# Altium PCB BW1097.PcbDoc (part 1 of 7) (continued)
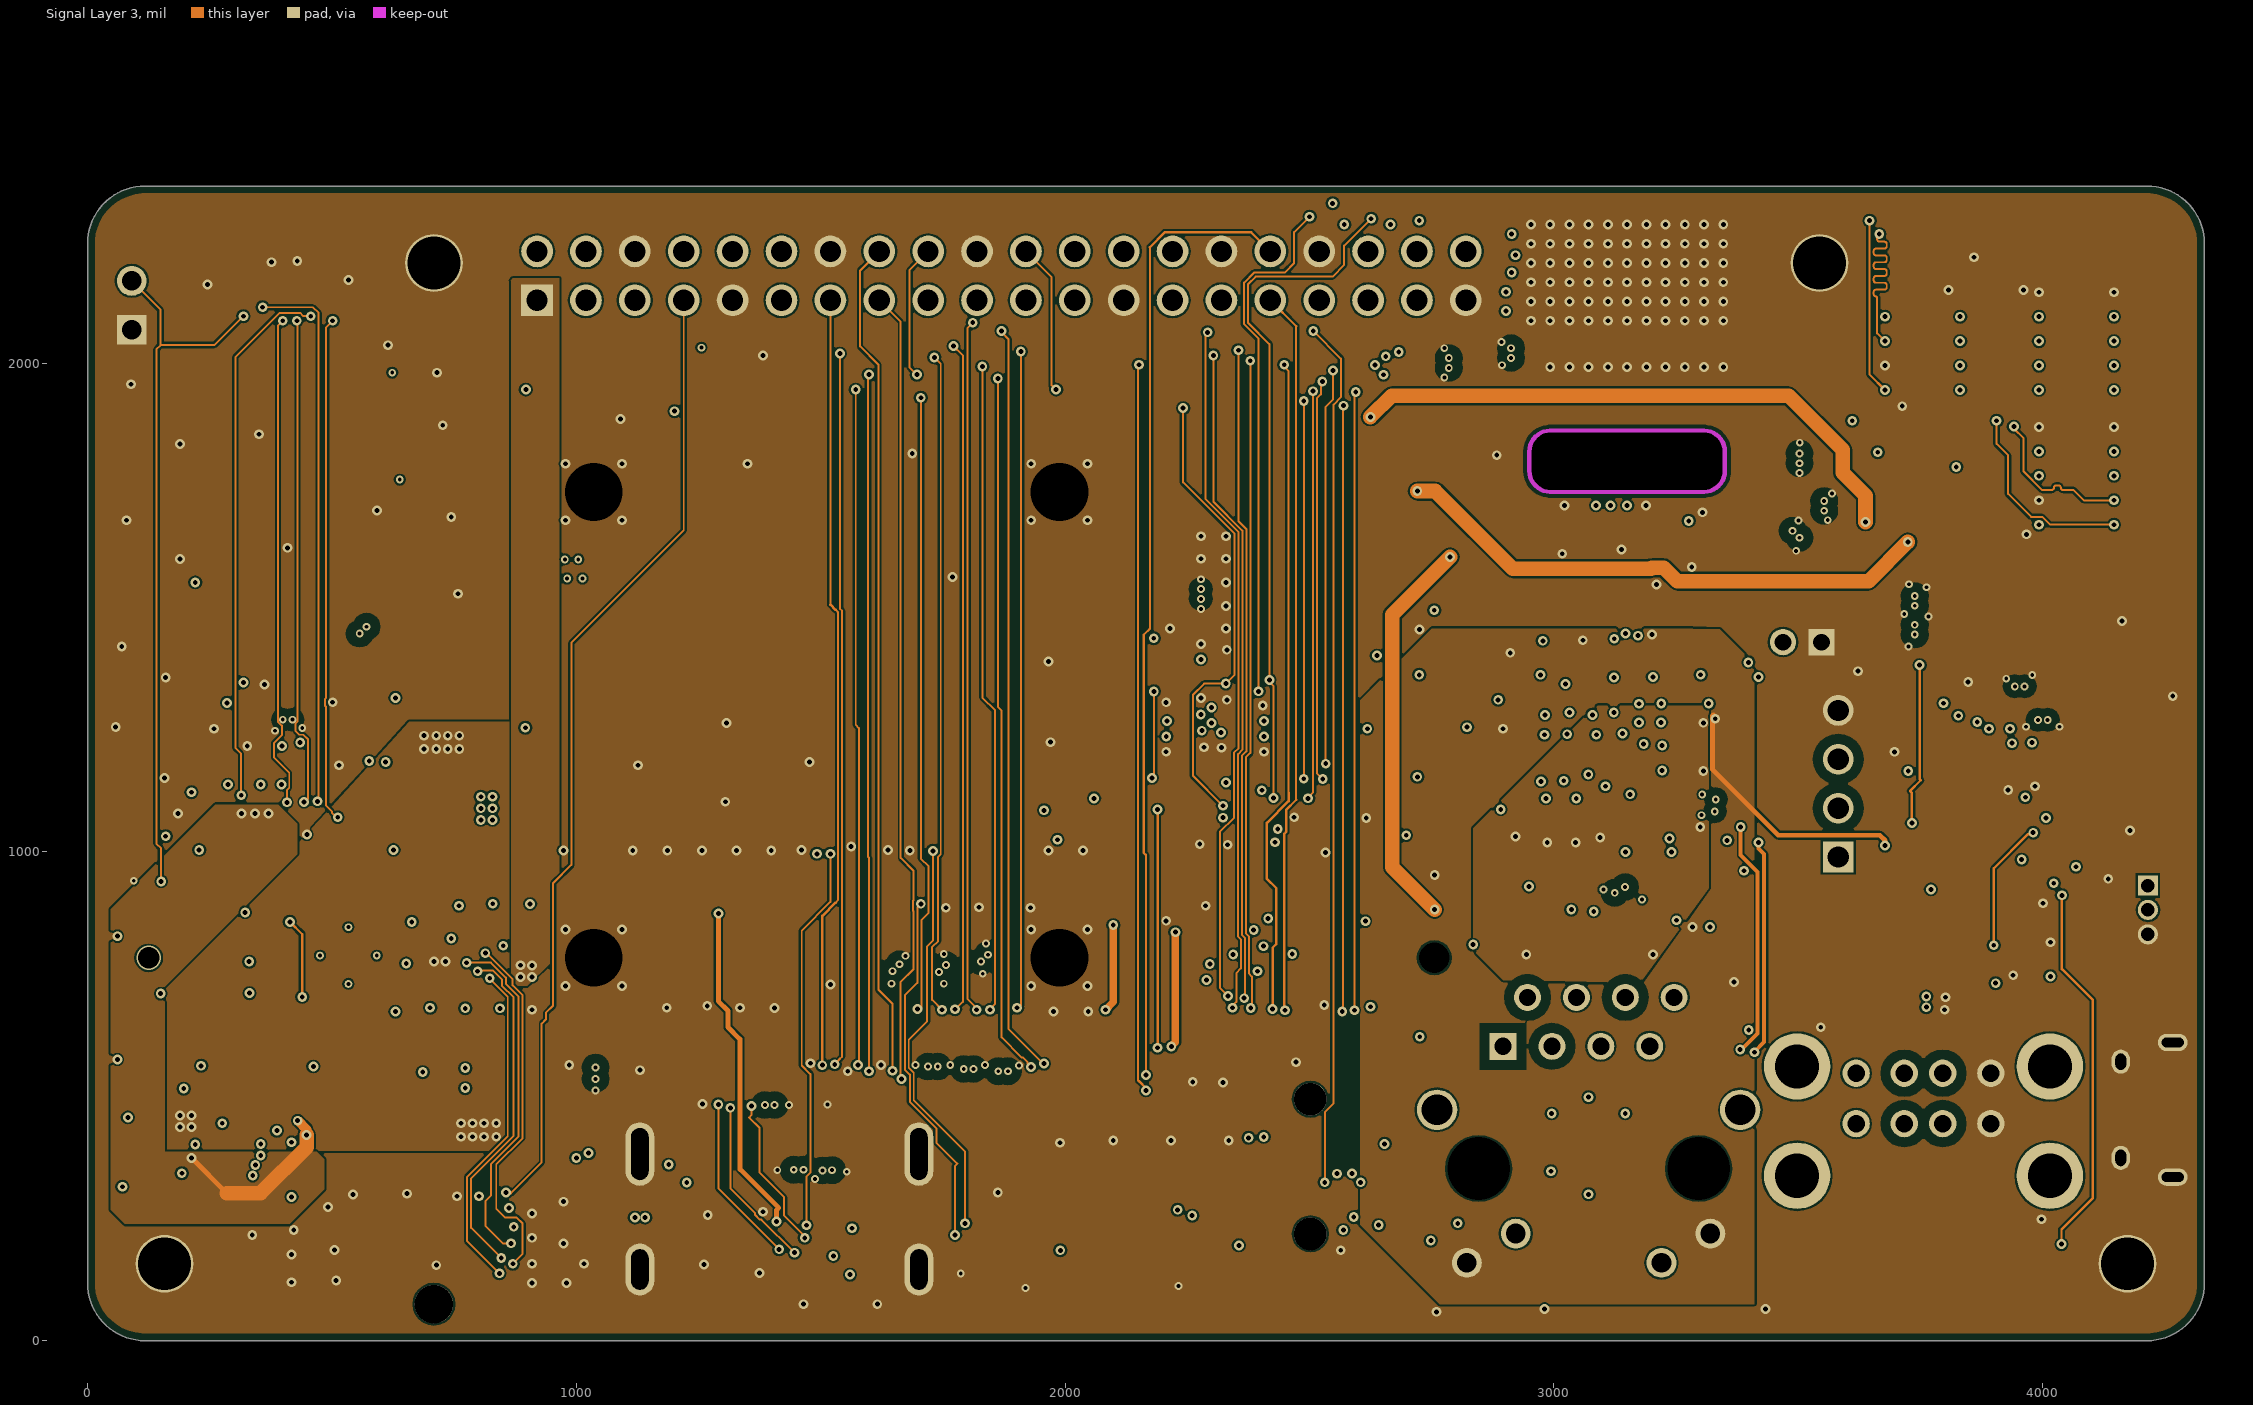
[diagram p4: Signal Layer 3]
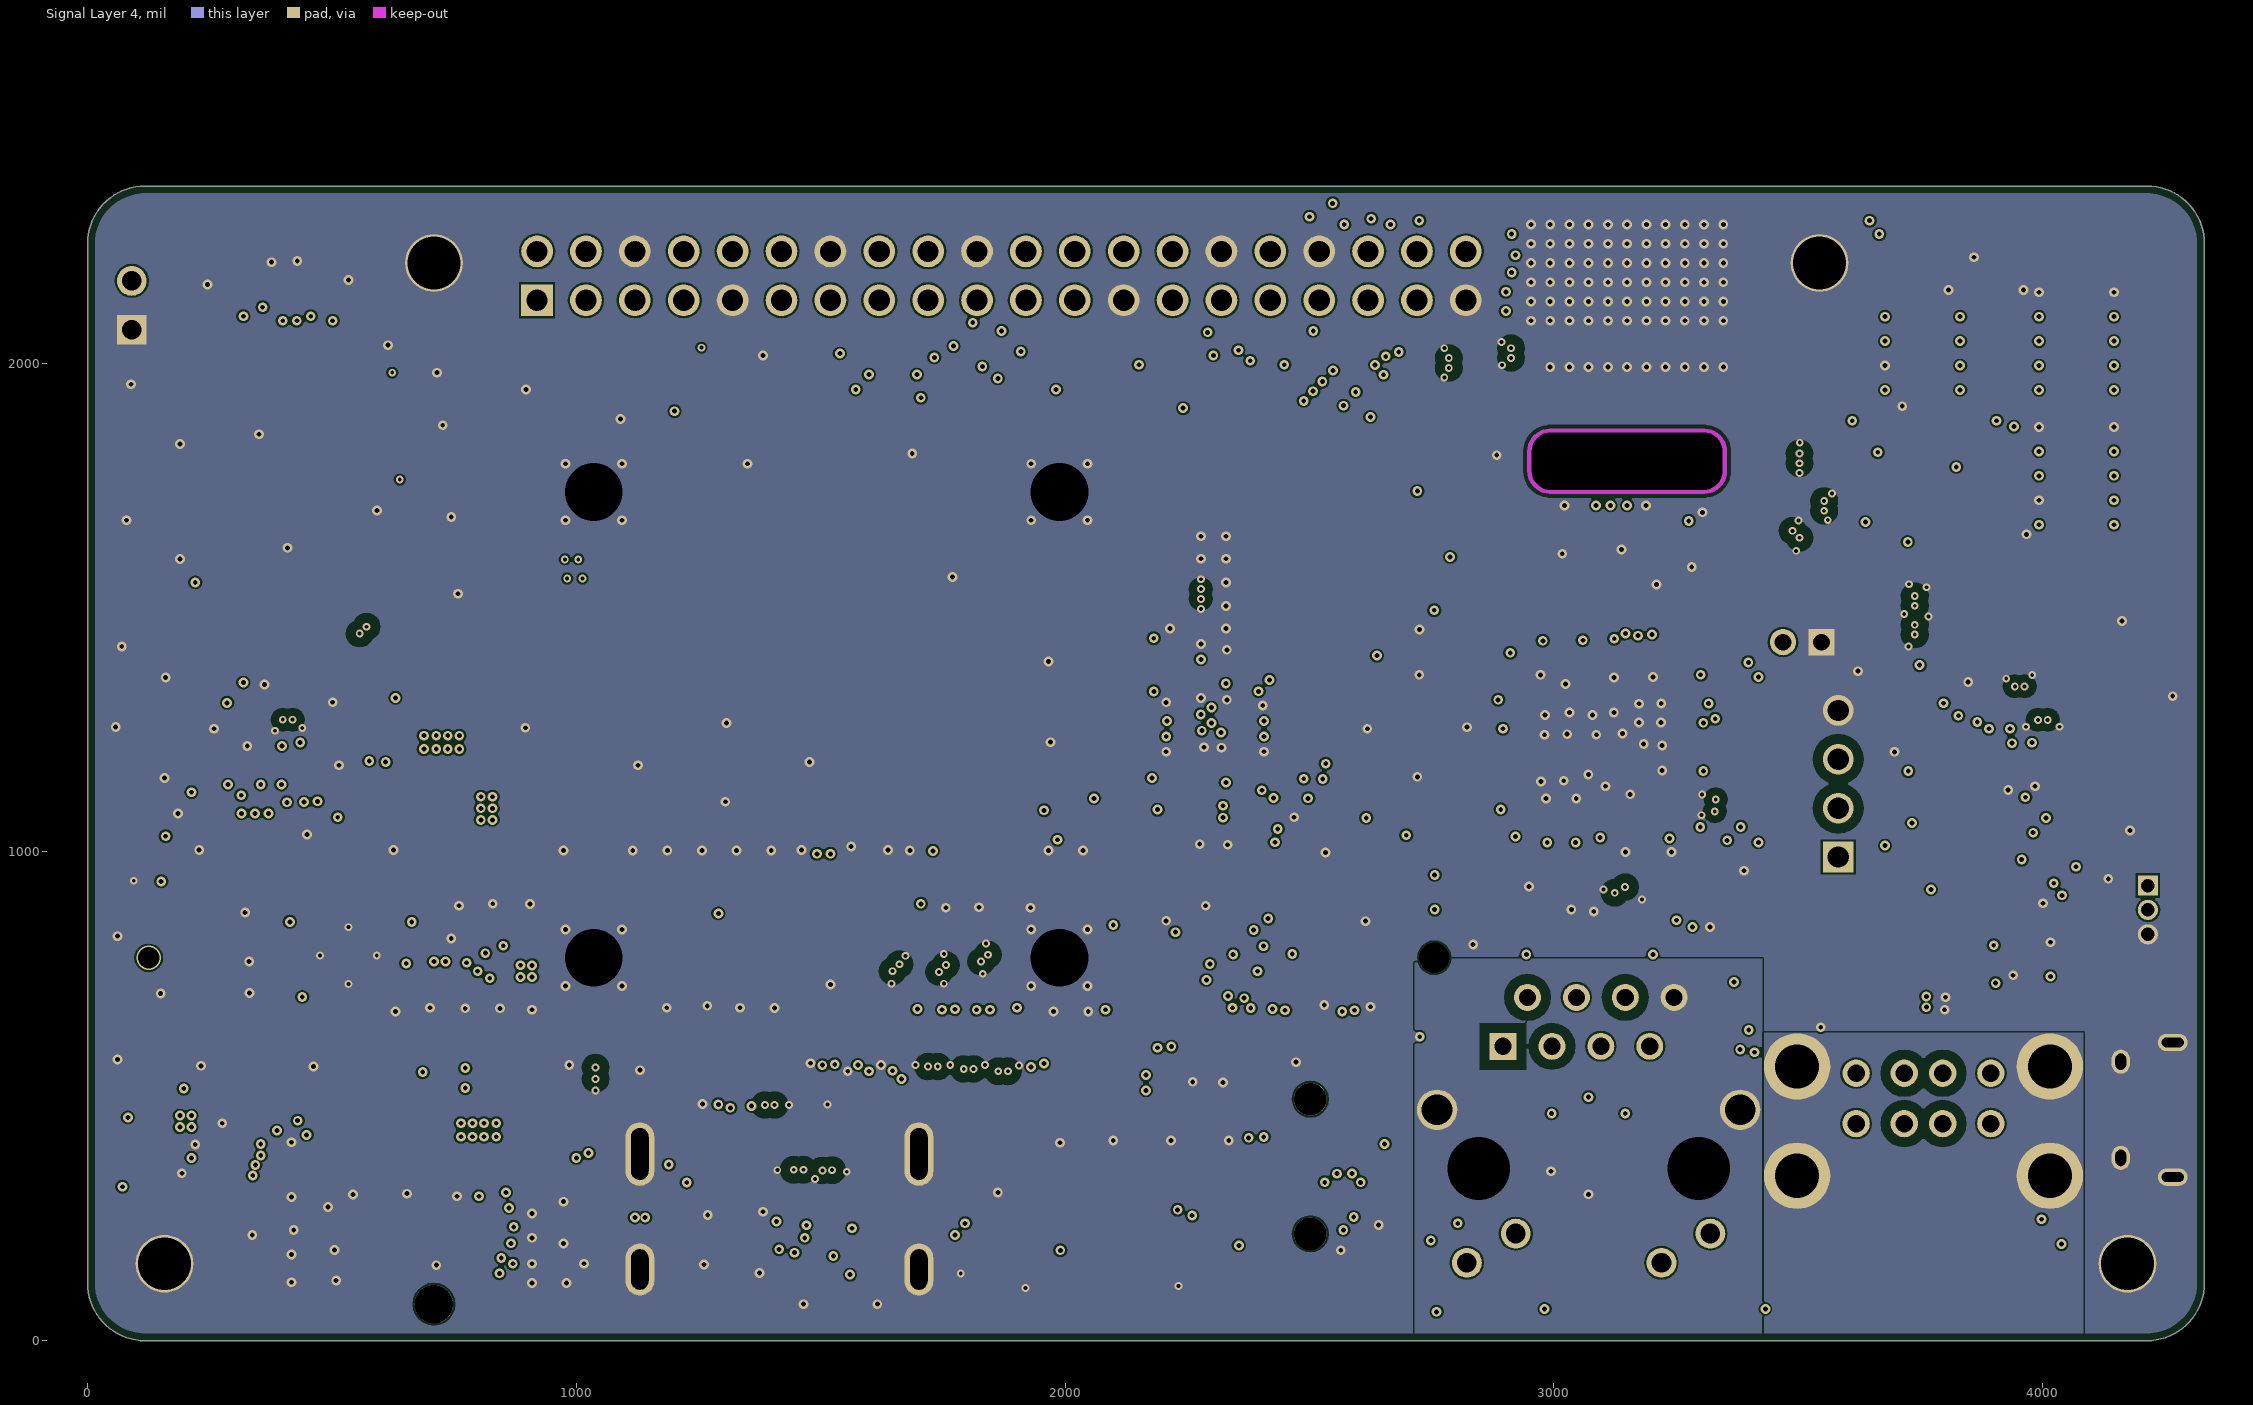
[diagram p5: Signal Layer 4]

## Layer stack, top to bottom
Top Mask: solder mask 0.5906, Solder Resist, Dk 3.8
Top Copper: signal copper 1.3778
Dielectric 1: prepreg 3.937, 2313, Dk 4.05
Signal Layer 1: signal copper 0.6889
Core 1: core 22.2441, FR-4, Dk 4.5
Signal Layer 2: signal copper 0.6889
Dielectric 2: prepreg 5, 2116, Dk 4.25
Signal Layer 3: signal copper 0.6889
Core 2: core 22.2441, FR-4, Dk 4.5
Signal Layer 4: signal copper 0.6889
Dielectric 3: prepreg 3.937, 2313, Dk 4.05
Bottom Copper: signal copper 1.3778
Bottom Mask: solder mask 0.5906, Solder Resist, Dk 3.8

## Board outline
0,118.11 ccw(c118.11,118.11) 118.11,0 4212.6,0 ccw(c4212.6,118.11) 4330.71,118.11 4330.71,2244.09 ccw(c4212.6,2244.09) 4212.6,2362.2 118.11,2362.21 118.11,2362.2 ccw(c118.11,2244.09) 0,2244.09

## Design rules (kind name [scope] priority, off if disabled: settings)
AssemblyTestPointUsage [All] p1: valid=2
AssemblyTestpoint [(IsPad And (OnTopLayer Or OnBottomLayer)) Or (IsVia) Or (IsPad And OnMultiLayer)] p1: testpointundercomponent=FALSE minsize=15 maxsize=100 preferedsize=50 minholesize=0 maxholesize=40 preferedholesize=32 testpointgrid=1 usegrid=FALSE gridtolerance=0.01 allowsidetop=TRUE allowsidebottom=TRUE minspacing=50 compbodyclearance=50
BoardOutlineClearance [All] p1: gap=15 ignorepadtopadclearanceinfootprint=FALSE except(0: Fill-OutlineEdge Fill-CavityEdge Fill-CutoutEdge Fill-SplitBarrior Fill-SplitContinuation Region-OutlineEdge Region-CavityEdge Region-CutoutEdge Region-SplitBarrior Region-SplitContinuation Text-OutlineEdge Text-CavityEdge Text-CutoutEdge Text-SplitBarrior Text-SplitContinuation)
Clearance Diff_Pair_Spacing [(InDifferentialPairClass('All Differential Pairs'))] p1: gap=4 ignorepadtopadclearanceinfootprint=FALSE except(20: Arc-Poly Track-Poly SMDPad-Poly THPad-Poly Via-Poly Fill-Poly Poly-Poly)
Clearance general [All] p2: gap=4 ignorepadtopadclearanceinfootprint=FALSE
ComponentClearance [All] p1 off: gap=1 collisioncheckmode=3 verticalgap=1 showdistances=FALSE
DiffPairsRouting 90ohm_diff_pair [InDifferentialPairClass('90ohm')] p1: maxlimit=10 minlimit=5 mostfreqgap=10 toplayer_maxgap=5 toplayer_prefgap=5 toplayer_minwidth=5.27 toplayer_maxwidth=5.27 toplayer_prefwidth=5.27 bottomlayer_maxgap=5 bottomlayer_prefgap=5 bottomlayer_minwidth=5.27 bottomlayer_maxwidth=5.27 bottomlayer_prefwidth=5.27 impedanceprofiledriven=TRUE impedanceprofileid={C1912A4C-65C1-4797-8795-EF72CF71D0A5} impedanceprofilevalue=90.000000 maxuncoupledlength=500
DiffPairsRouting 100ohm_Diff_pair [InDifferentialPairClass('100ohm')] p2: maxlimit=10 minlimit=5 mostfreqgap=10 toplayer_maxgap=5 toplayer_prefgap=5 toplayer_minwidth=3.96 toplayer_maxwidth=4 toplayer_prefwidth=4 bottomlayer_maxgap=5 bottomlayer_prefgap=5 bottomlayer_minwidth=3.96 bottomlayer_maxwidth=4 bottomlayer_prefwidth=4 impedanceprofiledriven=TRUE impedanceprofileid={318BE688-9DA0-420A-BC2E-641F9C148295} impedanceprofilevalue=100.000000 maxuncoupledlength=500
FabricationTestPointUsage [All] p1: valid=2 allowmultiple=TRUE
FabricationTestpoint [(IsPad And (OnTopLayer Or OnBottomLayer)) Or (IsVia) Or (IsPad And OnMultiLayer)] p1: side=3 testpointundercomponent=TRUE minsize=15 maxsize=100 preferedsize=50 minholesize=0 maxholesize=40 preferedholesize=32 testpointgrid=1 allowsidetop=TRUE allowsidebottom=TRUE usegrid=FALSE gridtolerance=0.01 minspacing=50 boardedgeclearance=10
HoleSize [All] p1: absolutevalues=TRUE maxlimit=300 minlimit=1 maxpercent=80.000 minpercent=20.000
MatchedLengths "Schematic Matched Net Lengths_5" [InNetClass('SPI')] p1: tolerance=100 checknetsindiffpair=FALSE checkdiffpairvsdiffpair=TRUE checkxsignals=TRUE checkothers=TRUE
MatchedLengths "Schematic Matched Net Lengths_4" [InNetClass('SDIO')] p2: tolerance=100 checknetsindiffpair=FALSE checkdiffpairvsdiffpair=TRUE checkxsignals=TRUE checkothers=TRUE
MatchedLengths "Schematic Matched Net Lengths_3" [InNetClass('uSD')] p3: tolerance=100 checknetsindiffpair=FALSE checkdiffpairvsdiffpair=TRUE checkxsignals=TRUE checkothers=TRUE
MatchedLengths "Schematic Matched Net Lengths_2" [InNetClass('HDMI')] p4: tolerance=50 checknetsindiffpair=FALSE checkdiffpairvsdiffpair=TRUE checkxsignals=TRUE checkothers=TRUE
MatchedLengths "Schematic Matched Net Lengths_1" [InNetClass('CM3_DSI')] p5: tolerance=5 checknetsindiffpair=FALSE checkdiffpairvsdiffpair=TRUE checkxsignals=TRUE checkothers=TRUE
MatchedLengths "Schematic Matched Net Lengths" [InNetClass('CM3_CSI')] p6: tolerance=5 checknetsindiffpair=FALSE checkdiffpairvsdiffpair=TRUE checkxsignals=TRUE checkothers=TRUE
MatchedLengths USB_XSIGNALS [InxSignalClass('USB_RX_XSIGNALS')  OR             InxSignalClass('USB_RX_XSIGNALS')] p7: tolerance=5 checknetsindiffpair=TRUE checkdiffpairvsdiffpair=FALSE checkxsignals=FALSE checkothers=FALSE
MatchedLengths MIPI_CAM_A [InNetClass('MIPI_CAM_A')] p8: tolerance=5 checknetsindiffpair=FALSE checkdiffpairvsdiffpair=TRUE checkxsignals=TRUE checkothers=TRUE
MatchedLengths MIPI_CAM_B [InNetClass('MIPI_CAM_B')] p9: tolerance=5 checknetsindiffpair=FALSE checkdiffpairvsdiffpair=TRUE checkxsignals=TRUE checkothers=TRUE
MatchedLengths MIPI_CAM_C [InNetClass('MIPI_CAM_C')] p10: tolerance=5 checknetsindiffpair=FALSE checkdiffpairvsdiffpair=TRUE checkxsignals=TRUE checkothers=TRUE
MatchedLengths DIFF_PAIR [InDifferentialPairClass('All Differential Pairs')] p11: tolerance=5 checknetsindiffpair=TRUE checkdiffpairvsdiffpair=FALSE checkxsignals=FALSE checkothers=FALSE
MinimumSolderMaskSliver [All] p1: minsoldermaskwidth=3.5
PlaneConnect [All] p1: pad.planeconnectstyle=Relief pad.reliefexpansion=20 pad.reliefentries=4 pad.reliefconductorwidth=10 pad.reliefairgap=10 via.planeconnectstyle=Direct via.reliefexpansion=20 via.reliefentries=4 via.reliefconductorwidth=10 via.reliefairgap=10
PolygonConnect OuterLayerGND_PolyClass [InPolygonClass('OuterGND')] p1: thpad.connectstyle=Direct thpad.reliefconductorwidth=10 thpad.reliefentries=4 thpad.polygonreliefangle="90 Angle" thpad.airgapwidth=10 smdpad.connectstyle=Relief smdpad.reliefconductorwidth=10 smdpad.reliefentries=4 smdpad.polygonreliefangle="90 Angle" smdpad.airgapwidth=5 via.connectstyle=Direct via.reliefconductorwidth=10 via.reliefentries=4 via.polygonreliefangle="90 Angle" via.airgapwidth=10
PolygonConnect GenericPoly [All] p2: connectstyle=Direct reliefconductorwidth=10 reliefentries=4 polygonreliefangle="90 Angle" airgapwidth=10
RoutingCorners [All] p1: cornerstyle=45-Degree minsetback=10 maxsetback=10
RoutingVias Diff_pair_vias [InDifferentialPairClass('All Differential Pairs')] p1: holewidth=28 width=50 viastyle="Through Hole" minholewidth=28 minwidth=50 maxholewidth=28 maxwidth=50 useviatemplates=TRUE viatemplateguid#1={17DCC6E9-54CA-4745-9B57-1C68514A76B7} viatemplatename#1=v41h20m0mx0
RoutingVias [All] p2: holewidth=10 width=20 viastyle="Through Hole" minholewidth=8 minwidth=16 maxholewidth=1000 maxwidth=1000 viatemplateguid#1={17DCC6E9-54CA-4745-9B57-1C68514A76B7} viatemplateguid#2={5584AE8D-5BDD-43D2-8C80-3EA49B262446} viatemplatename#1=v41h20m0mx0 viatemplatename#2=v51h25m0mx0
ShortCircuit [All] p1: allowed=TRUE
SilkToSilkClearance [All] p1: silktosilkclearance=4
SilkToSolderMaskClearance SilkscreenOverComponentPads [IsPad] p1: minsilkscreentomaskgap=0 clearancetoexposedcopper=FALSE
SolderMaskExpansion [All] p1: expansion=2
UnRoutedNet [All] p1: checkbadconnections=TRUE
ViasUnderSMD GND_Pad_VIP_Exception [InComponent('U7')] p1: allowed=TRUE
ViasUnderSMD GND_Pad_VIP_Exception_1 [InComponent('J6')] p2: allowed=TRUE
ViasUnderSMD [All] p3: allowed=FALSE
Width Power_Trace [InNetClass('Power_trace')] p1: maxlimit=100 minlimit=4 preferedwidth=30 minimp=50.000000 maximp=50.000000 favimp=50.000000
Width GND [InNet('GND')] p2: maxlimit=20 minlimit=4 preferedwidth=10
Width [All] p3: maxlimit=100 minlimit=4 preferedwidth=5
16 further rules are at their usual default settings.

## Classes and differential pairs
net class SPI: SPI_SCK SPI_SIO0 SPI_SIO1 SPI_SIO2 SPI_SIO3 SPI_SS_0 SPI_SS_1
net class SDIO: SD_HST0_CD SD_HST0_CLK SD_HST0_CMD SD_HST0_D1 SD_HST0_D2 SD_HST0_D3 SD_HST0_D4
polygon class OuterGND: GND_L01_P775 GND_L06_P803
net class uSD: SDX_CLK SDX_CMD SDX_D0 SDX_D1 SDX_D2 SDX_D3
net class HDMI: HDMI_CLK_N HDMI_CLK_P HDMI_D0_N HDMI_D0_P HDMI_D1_N HDMI_D1_P HDMI_D2_N HDMI_D2_P
net class CM3_DSI: DSI1_CLK_N DSI1_CLK_P DSI1_D0_N DSI1_D0_P DSI1_D1_N DSI1_D1_P
net class CM3_CSI: CAM1_CLK_N CAM1_CLK_P CAM1_D0_N CAM1_D0_P CAM1_D1_N CAM1_D1_P
component class U_BW1097_RIGHT_OV9282: C36 C37 C38 C40 C44 C50 FB5 FB7 FB9 J19 R35 R36 TP7
differential pair class 100ohm: CAM1_CLK CAM1_D0 CAM1_D1 DSI1_CLK DSI1_D0 DSI1_D1 HDMI_CLK HDMI_D0 HDMI_D1 HDMI_D2 MIPI_RX2_C MIPI_RX2_D0 MIPI_RX2_D1 MIPI_RX3_C MIPI_RX3_D0 MIPI_RX3_D1 MIPI_RX4_C MIPI_RX4_D0 MIPI_RX4_D1 MIPI_RX5_D0 MIPI_RX5_D1 RX TX
component class U_BW1097_SODIMM: C88 C89 C90 C91 C92 J24 J29 R54 R55 R56 R57 R58 R59 R60 R61 R62 R63 R64 R65 R66 R67
component class U_BW1097_uSD: C87 J23 R52 R53
component class U_BW1097_LEFT_OV9282: C29 C31 C32 C33 C34 C35 FB4 FB6 FB8 J18 R33 R34 R37 R79 R80 R81 R82 R83 R84 R85
component class U_BW1097_Power_Supply: C18 C19 C20 C21 C22 C24 C25 C27 C28 C30 C39 C41 C42 C43 C45 C46 C47 C48 C49 C51 C52 C53 C54 C55 C57 C59 C60 C126 C127 D6 J6 J15 L1 L2 L3 Q5 R4 R6 R7 R8 R9 R10 R11 R12 R13 R14 R15 R29 R30 R77 U3 U4 U5
component class U_BW1097_MIPI_IO: J13 J14
component class U_BW1097_JTAG: J12
component class U_BW1097_IMX378: C12 C13 C14 C15 C16 C17 FB1 FB2 FB3 J11 R28
component class U_BW1097_HUB: C56 C58 C61 C62 C63 C64 C65 C66 C67 C68 C69 C70 C71 C72 C73 C74 C75 C76 C77 C78 C79 C80 C81 C82 C83 C84 C85 C86 D10 D11 J21 J22 J28 L4 L5 Q6 R38 R39 R40 R41 R42 R43 R44 R45 R46 R47 R48 R49 R50 R51 R78 TP8 TP9 U6 U7 U8 X1
component class U_BW1097_HDMI: C10 C11 J10 Q3 Q4 R26 R27 U1 U2
component class U_BW1097_GPIOHDR: C6 C7 C8 C9 J9 R31 R32 R86 R87 R88 R89 R90
component class U_BW1097_EthernetSchDoc: C1 C2 C3 C4 C5 D2 J4 R5 R16 R17 R18 R19 R20 R21 R22 R23
component class U_BW1097_Connector: B1 C23 D3 J1 J5 J7 J8 M1 MTG7 MTG8 MTG9 MTG10 R24 R25 R74 R75 R76 TP6 TP10 U10
component class U_BW1097_BootSel: D1 J2 J3 Q1 Q2 R1 R2 R3
component class U_BW1097_AV: C93 C94 C95 C96 C97 J25 R68 R69 R70 R71 R72 R73 U9
differential pair class 90ohm: USB_D USB_RX USB_TX USBB_D USBD0 USBD2 USBD3 USBD4 USBD5
net class MIPI_CAM_C: MIPI_RX3_C_N MIPI_RX3_C_P MIPI_RX3_D0_N MIPI_RX3_D0_P MIPI_RX3_D1_N MIPI_RX3_D1_P
net class MIPI_CAM_B: MIPI_RX2_C_N MIPI_RX2_C_P MIPI_RX2_D0_N MIPI_RX2_D0_P MIPI_RX2_D1_N MIPI_RX2_D1_P
net class MIPI_CAM_A: MIPI_RX4_C_N MIPI_RX4_C_P MIPI_RX4_D0_N MIPI_RX4_D0_P MIPI_RX4_D1_N MIPI_RX4_D1_P MIPI_RX5_D0_N MIPI_RX5_D0_P MIPI_RX5_D1_N MIPI_RX5_D1_P
net class Power_trace: 1V2 1V2_L 1V2_R 1V05 1V05_IMX378 1V8 1V8_IMX378 1V8_L 1V8_R 2V8 2V8_IMX378 2V8_L 2V8_R 3V3 3V3_VDDA 5V_IN CM_1V8 CM_3V3 CM_VBAT CM_VDAC GPIO0-27_VREF GPIO28-45_VREF H5V SDX_VDD VBUS VBUS_USB3 VBUS_USB4 VBUSB VDD18CORE VDD18ETHPLL VDD18USBPLL VDD_5V
component class BW1097_TopLevel: FID1 FID2 FID3 FID4 FID5 FID6 MTG1 MTG2 MTG3 MTG4
differential pair USBD5: +USBD5_P -USBD5_N
differential pair USBB_D: +USBB_D_P -USBB_D_N
differential pair USBD4: +USBD4_P -USBD4_N
differential pair USBD3: +USBD3_P -USBD3_N
differential pair USBD2: +USBD2_P -USBD2_N
differential pair USBD0: +USBD0_P -USBD0_N
differential pair TX: +TX_P -TX_N
differential pair RX: +RX_P -RX_N
differential pair HDMI_D2: +HDMI_D2_P -HDMI_D2_N
differential pair HDMI_D1: +HDMI_D1_P -HDMI_D1_N
differential pair HDMI_D0: +HDMI_D0_P -HDMI_D0_N
differential pair HDMI_CLK: +HDMI_CLK_P -HDMI_CLK_N
differential pair DSI1_D1: +DSI1_D1_P -DSI1_D1_N
differential pair DSI1_D0: +DSI1_D0_P -DSI1_D0_N
differential pair DSI1_CLK: +DSI1_CLK_P -DSI1_CLK_N
differential pair CAM1_D1: +CAM1_D1_P -CAM1_D1_N
differential pair CAM1_D0: +CAM1_D0_P -CAM1_D0_N
differential pair CAM1_CLK: +CAM1_CLK_P -CAM1_CLK_N
differential pair MIPI_RX5_D1: +MIPI_RX5_D1_P -MIPI_RX5_D1_N
differential pair MIPI_RX5_D0: +MIPI_RX5_D0_P -MIPI_RX5_D0_N
differential pair MIPI_RX4_D1: +MIPI_RX4_D1_P -MIPI_RX4_D1_N
differential pair MIPI_RX4_D0: +MIPI_RX4_D0_P -MIPI_RX4_D0_N
differential pair MIPI_RX4_C: +MIPI_RX4_C_P -MIPI_RX4_C_N
differential pair MIPI_RX3_D1: +MIPI_RX3_D1_P -MIPI_RX3_D1_N
differential pair MIPI_RX3_D0: +MIPI_RX3_D0_P -MIPI_RX3_D0_N
differential pair MIPI_RX3_C: +MIPI_RX3_C_P -MIPI_RX3_C_N
differential pair MIPI_RX2_D1: +MIPI_RX2_D1_P -MIPI_RX2_D1_N
differential pair MIPI_RX2_D0: +MIPI_RX2_D0_P -MIPI_RX2_D0_N
differential pair MIPI_RX2_C: +MIPI_RX2_C_P -MIPI_RX2_C_N
differential pair USB_TX: +USB_TX_P -USB_TX_N
differential pair USB_RX: +USB_RX_P -USB_RX_N
differential pair USB_D: +USB_D_P -USB_D_N

## Components (designator, comment, footprint, x,y, rotation, side; value= is the part's Value field where it differs from the comment)
B1 "Off-Mom, 50mA" DTSM-32N-V 149.61,747.91 r90 top locked
C1 "22NF 0603" CAPC0603(1608)100_N 3117.3,776.69 r180 bottom
C2 "15PF 0201" CAPC0201(0603)33_L 2960.63,858.27 r0 top
C3 "15PF 0201" CAPC0201(0603)33_L 3015.75,858.27 r180 top
C4 "15PF 0201" CAPC0201(0603)33_L 3114.17,858.27 r0 top
C5 "15PF 0201" CAPC0201(0603)33_L 3169.29,858.27 r180 top
C6 "1uF 0402" CAPC0402(1005)70_N 2232.28,1034.08 r180 bottom locked
C7 "1uF 0402" CAPC0402(1005)70_N 2049.22,1034.65 r0 bottom locked
C8 "0.1uF 0402" CAPC0402(1005)70_N 895.67,2039.37 r0 top locked
C9 "0.1uF 0402" CAPC0402(1005)70_N 828.59,2051.57 r90 top locked
C10 "0.1uF 0402" CAPC0402(1005)70_N 1217.26,155.91 r180 bottom locked
C11 "0.1uF 0402" CAPC0402(1005)70_N 1421.98,74.8 r180 bottom locked
C12 "0.1uF 0402" CAPC0402(1005)70_N 3021.7,1525.42 r180 bottom locked
C13 "10uF 0603" CAPC0603(1608)100_N 2948.82,1492.13 r90 bottom locked
C14 "0.1uF 0402" CAPC0402(1005)70_N 2947.05,1615.95 r90 bottom locked
C15 "10uF 0603" CAPC0603(1608)100_N 2894.16,1620.82 r90 bottom locked
C16 "0.1uF 0402" CAPC0402(1005)70_N 2949.35,1700.2 r270 bottom locked
C17 "10uF 0603" CAPC0603(1608)100_N 2893.7,1740.16 r270 bottom locked
C18 "2.2uF 0402" CAPC0402(1005)70_N 679.66,752.33 r270 top locked
C19 "22uF 0603" CAPC0603(1608)100_N 480.32,948.82 r180 top locked
C20 "22uF 0603" CAPC0603(1608)100_N 462.04,590.5 r180 top locked
C21 "10uF 0603" CAPC0603(1608)100_N 654.79,1948.13 r180 top
C22 "10uF 0603" CAPC0603(1608)100_N 771.92,1948.13 r0 top
C23 "4.7uF 0603" CAPC0603(1608)100_N 1381.89,1952.76 r270 top
C24 "10uF 0603" CAPC0603(1608)100_N 670.28,1727.01 r180 top
C25 "10uF 0603" CAPC0603(1608)100_N 789.56,1728.35 r0 top
C27 "22uF 0603" CAPC0603(1608)100_N 582.89,972.05 r270 top locked
C28 "47nF 0402" CAPC0402(1005)70_N 367.55,680.98 r180 top locked
C29 "0.1uF 0402" CAPC0402(1005)70_N 3827.17,1239.54 r0 bottom locked
C30 "22uF 0603" CAPC0603(1608)100_N 248.03,307.09 r180 top locked
C31 "10uF 0603" CAPC0603(1608)100_N 3813.39,1184.23 r0 bottom locked
C32 "0.1uF 0402" CAPC0402(1005)70_N 3699.18,1376.6 r0 top locked
C33 "10uF 0603" CAPC0603(1608)100_N 3677.17,1267.15 r90 top locked
C34 "0.1uF 0402" CAPC0402(1005)70_N 4003.36,1185.5 r90 bottom locked
C35 "10uF 0603" CAPC0603(1608)100_N 4058.84,1167.39 r90 bottom locked
C36 "0.1uF 0402" CAPC0402(1005)70_N 351.12,1310.61 r180 bottom locked
C37 "10uF 0603" CAPC0603(1608)100_N 344.37,1423.49 r270 bottom locked
C38 "0.1uF 0402" CAPC0402(1005)70_N 302.55,1241.3 r90 bottom locked
C39 "22uF 0603" CAPC0603(1608)100_N 267.78,576.77 r90 top locked
C40 "10uF 0603" CAPC0603(1608)100_N 284.19,1391.99 r270 bottom locked
C41 "22uF 0603" CAPC0603(1608)100_N 278.94,426.43 r180 top locked
C42 "22uF 0603" CAPC0603(1608)100_N 278.94,485.48 r180 top locked
C43 "22uF 0603" CAPC0603(1608)100_N 338.58,275.59 r270 top locked
C44 "0.1uF 0402" CAPC0402(1005)70_N 460.63,1245.13 r270 bottom locked
C45 "22uF 0603" CAPC0603(1608)100_N 278.94,367.37 r180 top locked
C46 "47nF 0402" CAPC0402(1005)70_N 704.66,901.57 r180 top locked
C47 "10nF 0402" CAPC0402(1005)60_N 366.74,850.27 r180 top locked
C48 "22uF 0603" CAPC0603(1608)100_N 897.8,958.27 r270 top locked
C49 "22uF 0603" CAPC0603(1608)100_N 925.59,1123.5 r0 top locked
C50 "10uF 0603" CAPC0603(1608)100_N 514.4,1245.13 r270 bottom locked
C51 "22uF 0603" CAPC0603(1608)100_N 925.59,1063.64 r0 top locked
C52 "22uF 0603" CAPC0603(1608)100_N 830.71,958.27 r270 top locked
C53 "47nF 0402" CAPC0402(1005)70_N 362.31,898.23 r180 top locked
C54 "22uF 0603" CAPC0603(1608)100_N 448.82,1035.43 r90 top locked
C55 "22uF 0603" CAPC0603(1608)100_N 247.83,1077.07 r180 top locked
C56 "0.1uF 0402" CAPC0402(1005)70_N 2877.95,1377.95 r270 top locked
C57 "10nF 0402" CAPC0402(1005)60_N 265.55,984.25 r180 top locked
C58 "0.1uF 0402" CAPC0402(1005)70_N 3031.75,1390.36 r90 bottom locked
C59 "10nF 0402" CAPC0402(1005)60_N 771.65,842.52 r270 top locked
C60 "10nF 0402" CAPC0402(1005)60_N 302.56,715.29 r270 top locked
C61 "0.1uF 0402" CAPC0402(1005)70_N 3192.91,1401.57 r90 bottom
C62 "0.1uF 0402" CAPC0402(1005)70_N 2938.39,1238.8 r180 bottom locked
C63 "0.1uF 0402" CAPC0402(1005)70_N 2875.99,1145.89 r270 top locked
C64 "0.1uF 0402" CAPC0402(1005)70_N 2938.73,1286 r180 bottom locked
C65 "0.1uF 0402" CAPC0402(1005)70_N 3105.09,1090.77 r270 bottom locked
C66 "0.1uF 0402" CAPC0402(1005)70_N 3264.17,1165.57 r0 bottom locked
C67 "0.1uF 0402" CAPC0402(1005)70_N 3271.22,1018.3 r90 bottom locked
C68 "0.1uF 0402" CAPC0402(1005)70_N 3268.21,1224.63 r0 bottom locked
C69 "0.1uF 0402" CAPC0402(1005)70_N 3050.51,1064.57 r270 bottom locked
C70 "0.1uF 0402" CAPC0402(1005)70_N 3002.07,1064 r270 bottom locked
C71 "0.1uF 0402" CAPC0402(1005)70_N 2950.79,1125.97 r270 bottom locked
C72 "4.7uF 0603" CAPC0603(1608)100_N 3086.61,1359.28 r270 bottom locked
C73 "0.1uF 0402" CAPC0402(1005)70_N 2923.46,1358.66 r270 bottom locked
C74 "0.1uF 0402" CAPC0402(1005)70_N 3259.84,1354.33 r0 bottom
C75 "0.1uF 0402" CAPC0402(1005)70_N 2901.75,1132.5 r270 bottom locked
C76 "1uF 0402" CAPC0402(1005)70_N 3208.27,1012.79 r90 bottom locked
C77 "10uF 0603" CAPC0603(1608)100_N 2507.87,1259.84 r270 bottom
C78 "10uF 0603" CAPC0603(1608)100_N 2448.82,1259.84 r270 bottom
C79 "22uF 0603" CAPC0603(1608)100_N 3771.65,153.54 r0 bottom locked
C80 "22uF 0603" CAPC0603(1608)100_N 3771.65,212.6 r0 bottom locked
C81 "22uF 0603" CAPC0603(1608)100_N 3771.65,271.65 r0 bottom locked